# Allegro board zp-dic_pda_8ch_board_v001_166_20241018_1809.brd (continued)
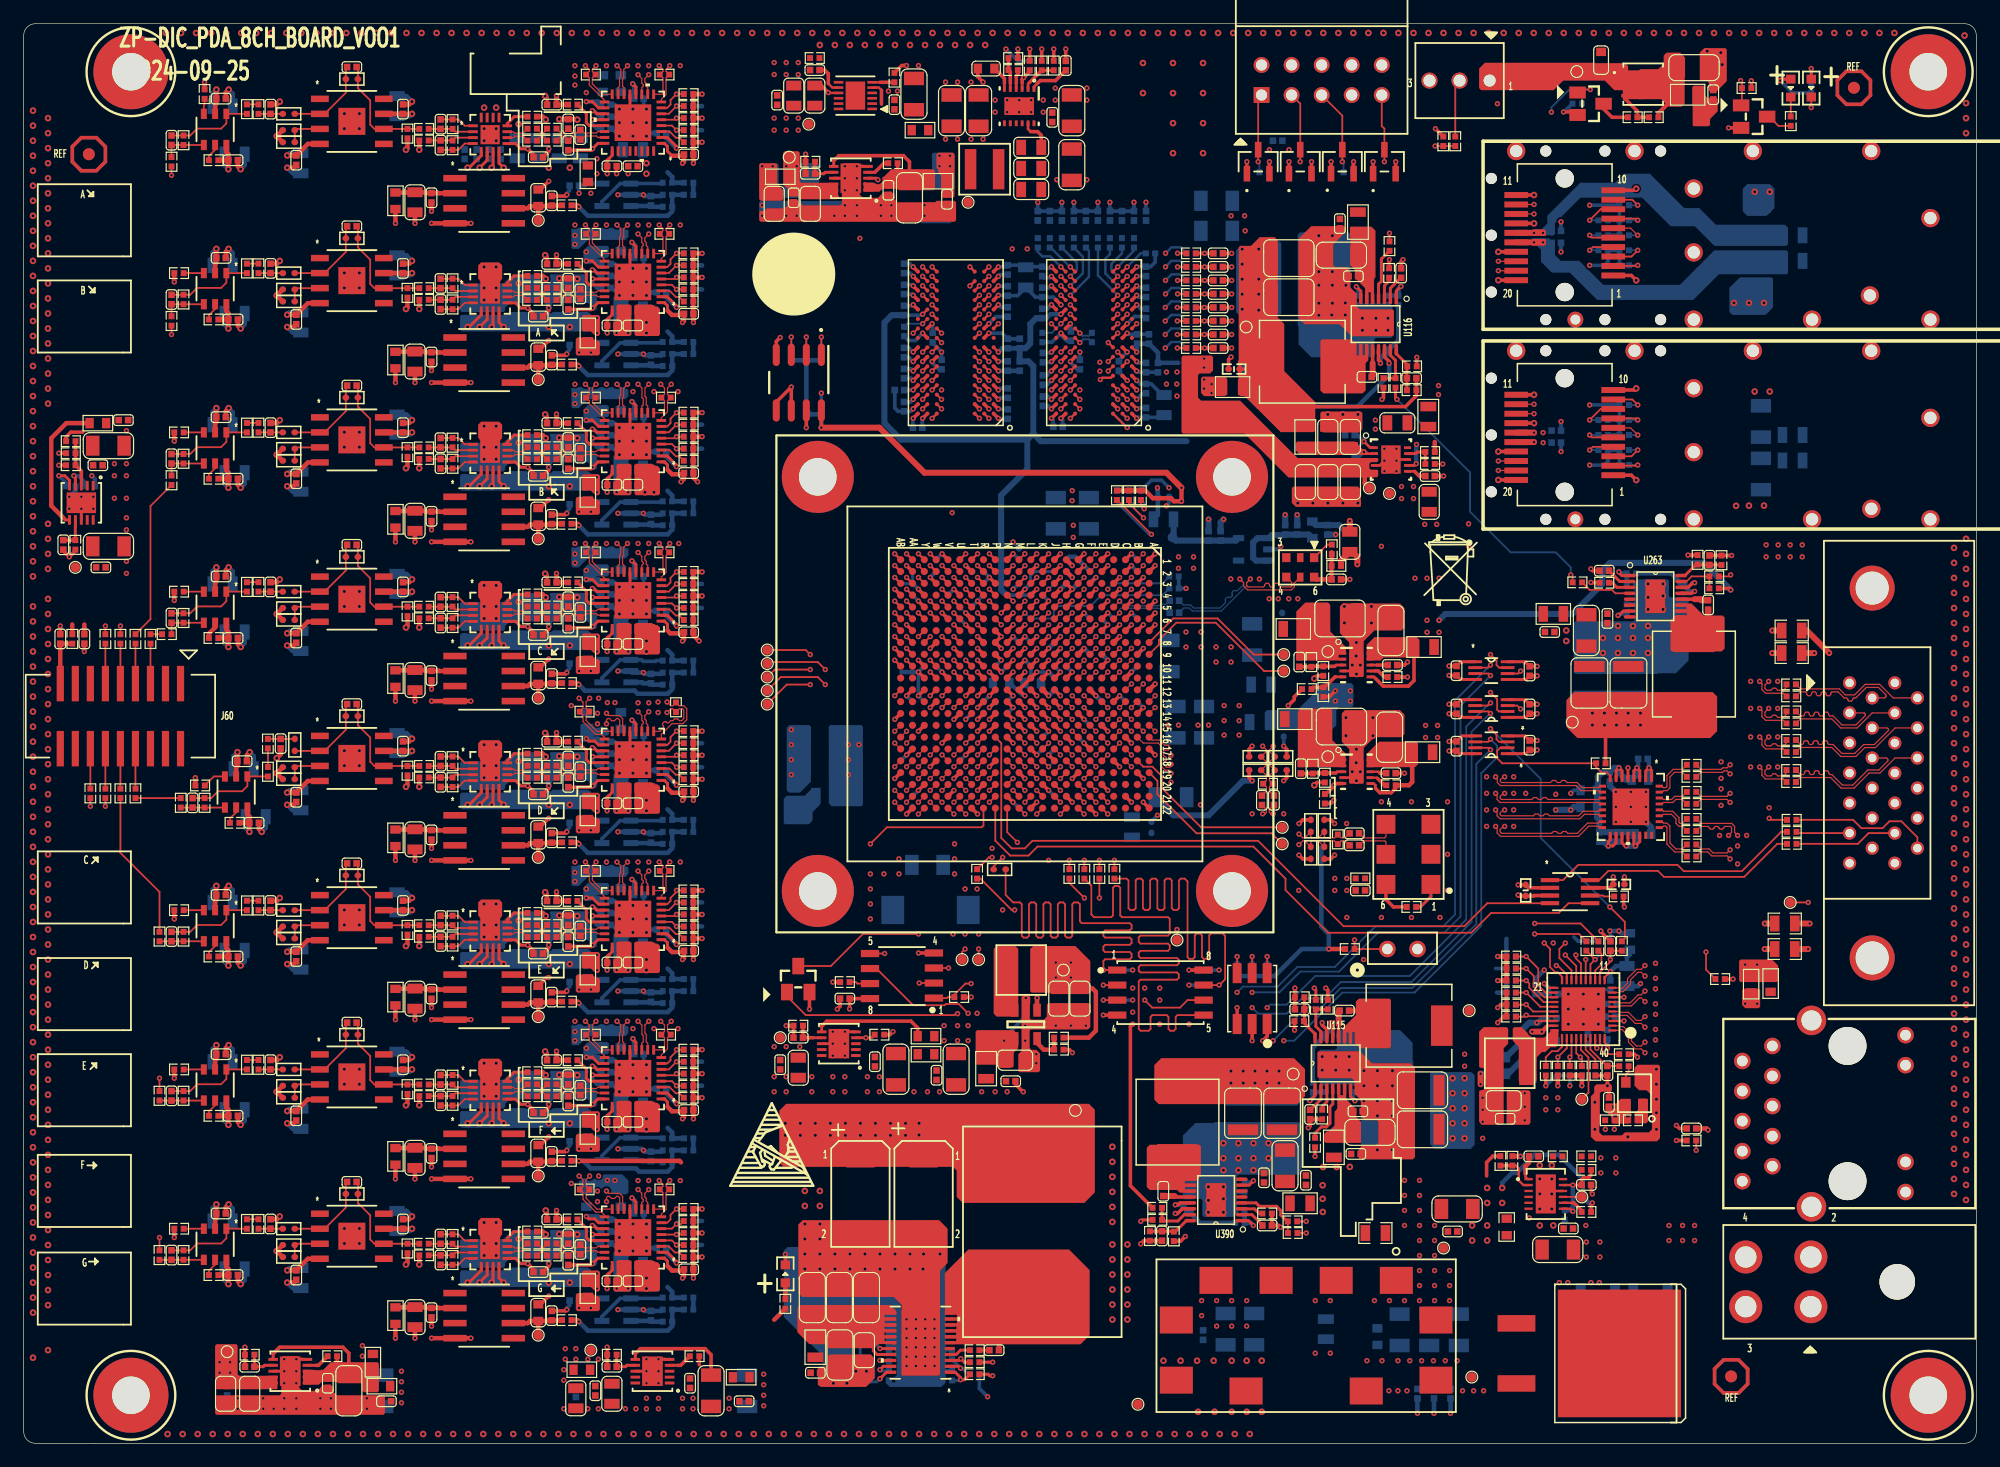
[diagram p0: board, top side]
## Nets (continued)
N23147800: P4.5(SCL) R2144.2
N23169457: C2482.1(CAP2) C2483.1(CAP2) L287.1 U1.J4(MGTVCCAUX)
N23170636: C2450.2(CAP1) L282.1 R2121.2 U270.6(VDD)
N23170831: R2121.1 U270.1(OE)
N23196826: R2153.2 U273.7(H\O\L\D\)
N23467611: R3014.2 U366.3(REFIN)
N23467797: C3279.1(CAP2) C3280.2(CAP1) R3029.1 R3031.2 U366.29(REF) U366.30(REF_2) U366.31(REF_3) U366.32(REF_4)
N23473539: R3026.1 U366.21(VCM)
N23486167: C2971.2(CAP1) C2974.1(CAP2) L299.2 U275.2(VIN)
N23486224: C2972.1(CAP2) C2973.2(CAP1) R2184.1 TP147.1 U275.6(VOUT)
N23486553: C2975.1(CAP2) C2976.2(CAP1) L300.2 U276.2(VIN)
N23486610: C2977.1(CAP2) C2978.2(CAP1) R2185.1 TP148.1 U276.6(VOUT)
N23486896: C2979.1(CAP2) C2980.2(CAP1) L301.2 U277.2(VIN)
N23486953: C2981.1(CAP2) C2982.2(CAP1) R2186.1 TP149.1 U277.6(VOUT)
N23487251: C2983.1(CAP2) C2984.2(CAP1) L302.2 U278.2(VIN)
N23487308: C2985.1(CAP2) C2986.2(CAP1) R2187.1 TP150.1 U278.6(VOUT)
N23492813: C2989.1(CAP2) C2990.2(CAP1) L303.2 U280.2(VIN)
N23492870: C2991.1(CAP2) C2992.2(CAP1) R2196.1 TP151.1 U280.6(VOUT)
N23492969: C2993.1(CAP2) C2994.2(CAP1) L304.2 U281.2(VIN)
N23493026: C2995.1(CAP2) C2996.2(CAP1) R2197.1 TP152.1 U281.6(VOUT)
N23493125: C2997.1(CAP2) C2998.2(CAP1) L305.2 U282.2(VIN)
N23493182: C2999.1(CAP2) C3000.2(CAP1) R2198.1 TP153.1 U282.6(VOUT)
N23493281: C3001.1(CAP2) C3002.2(CAP1) L306.2 U283.2(VIN)
N23493338: C3003.1(CAP2) C3004.2(CAP1) R2199.1 TP154.1 U283.6(VOUT)
N23494365: C3285.2(CAP1) R3028.1 U368.3(+IN)
N23494373: R3029.2 U368.1(VOUT) U368.4(-IN)
N23499075: R3031.1 R3032.2
N23503581: C3286.2(CAP1) C3287.2(CAP1) C3288.2(CAP1) L368.2 U369.1(VDD1) U369.19(VDD1_2) U369.20(VDD1_3)
N23503589: C3289.2(CAP1) C3290.2(CAP1) C3291.2(CAP1) L369.2 U369.2(VDD2) U369.18(VDD2_2) U369.25(VDD2_3)
N23503625: R3035.2 U369.3(REFIN)
N23503626: C3293.1(CAP2) C3294.2(CAP1) R3050.1 R3052.2 U369.29(REF) U369.30(REF_2) U369.31(REF_3) U369.32(REF_4)
N23503698: R3047.1 U369.21(VCM)
N23503724: C3299.2(CAP1) R3049.1 U371.3(+IN)
N23503727: R3050.2 U371.1(VOUT) U371.4(-IN)
N23503746: R3052.1 R3053.2
N23504848: C3300.2(CAP1) C3301.2(CAP1) C3302.2(CAP1) L371.2 U372.1(VDD1) U372.19(VDD1_2) U372.20(VDD1_3)
N23504856: C3303.2(CAP1) C3304.2(CAP1) C3305.2(CAP1) L372.2 U372.2(VDD2) U372.18(VDD2_2) U372.25(VDD2_3)
N23504892: R3056.2 U372.3(REFIN)
N23504893: C3307.1(CAP2) C3308.2(CAP1) R3071.1 R3073.2 U372.29(REF) U372.30(REF_2) U372.31(REF_3) U372.32(REF_4)
N23504965: R3068.1 U372.21(VCM)
N23504991: C3313.2(CAP1) R3070.1 U374.3(+IN)
N23504994: R3071.2 U374.1(VOUT) U374.4(-IN)
N23505013: R3073.1 R3074.2
N23506117: C3356.2(CAP1) C3357.2(CAP1) C3358.2(CAP1) L383.2 U384.1(VDD1) U384.19(VDD1_2) U384.20(VDD1_3)
N23506125: C3359.2(CAP1) C3360.2(CAP1) C3361.2(CAP1) L384.2 U384.2(VDD2) U384.18(VDD2_2) U384.25(VDD2_3)
N23506161: R3140.2 U384.3(REFIN)
N23506162: C3363.1(CAP2) C3364.2(CAP1) R3155.1 R3157.2 U384.29(REF) U384.30(REF_2) U384.31(REF_3) U384.32(REF_4)
N23506234: R3152.1 U384.21(VCM)
N23506260: C3369.2(CAP1) R3154.1 U386.3(+IN)
N23506263: R3155.2 U386.1(VOUT) U386.4(-IN)
N23506282: R3157.1 R3158.2
N23507395: C3314.2(CAP1) C3315.2(CAP1) C3316.2(CAP1) L374.2 U375.1(VDD1) U375.19(VDD1_2) U375.20(VDD1_3)
N23507403: C3317.2(CAP1) C3318.2(CAP1) C3319.2(CAP1) L375.2 U375.2(VDD2) U375.18(VDD2_2) U375.25(VDD2_3)
N23507439: R3077.2 U375.3(REFIN)
N23507440: C3321.1(CAP2) C3322.2(CAP1) R3092.1 R3094.2 U375.29(REF) U375.30(REF_2) U375.31(REF_3) U375.32(REF_4)
N23507512: R3089.1 U375.21(VCM)
N23507538: C3327.2(CAP1) R3091.1 U377.3(+IN)
N23507541: R3092.2 U377.1(VOUT) U377.4(-IN)
N23507560: R3094.1 R3095.2
N23508661: C3328.2(CAP1) C3329.2(CAP1) C3330.2(CAP1) L377.2 U378.1(VDD1) U378.19(VDD1_2) U378.20(VDD1_3)
N23508669: C3331.2(CAP1) C3332.2(CAP1) C3333.2(CAP1) L378.2 U378.2(VDD2) U378.18(VDD2_2) U378.25(VDD2_3)
N23508705: R3098.2 U378.3(REFIN)
N23508706: C3335.1(CAP2) C3336.2(CAP1) R3113.1 R3115.2 U378.29(REF) U378.30(REF_2) U378.31(REF_3) U378.32(REF_4)
N23508778: R3110.1 U378.21(VCM)
N23508804: C3341.2(CAP1) R3112.1 U380.3(+IN)
N23508807: R3113.2 U380.1(VOUT) U380.4(-IN)
N23508826: R3115.1 R3116.2
N23509928: C3342.2(CAP1) C3343.2(CAP1) C3344.2(CAP1) L380.2 U381.1(VDD1) U381.19(VDD1_2) U381.20(VDD1_3)
N23509936: C3345.2(CAP1) C3346.2(CAP1) C3347.2(CAP1) L381.2 U381.2(VDD2) U381.18(VDD2_2) U381.25(VDD2_3)
N23509972: R3119.2 U381.3(REFIN)
N23509973: C3349.1(CAP2) C3350.2(CAP1) R3134.1 R3136.2 U381.29(REF) U381.30(REF_2) U381.31(REF_3) U381.32(REF_4)
N23510045: R3131.1 U381.21(VCM)
N23510071: C3355.2(CAP1) R3133.1 U383.3(+IN)
N23510074: R3134.2 U383.1(VOUT) U383.4(-IN)
N23510093: R3136.1 R3137.2
N23511196: C3370.2(CAP1) C3371.2(CAP1) C3372.2(CAP1) L386.2 U387.1(VDD1) U387.19(VDD1_2) U387.20(VDD1_3)
N23511204: C3373.2(CAP1) C3374.2(CAP1) C3375.2(CAP1) L387.2 U387.2(VDD2) U387.18(VDD2_2) U387.25(VDD2_3)
N23511240: R3161.2 U387.3(REFIN)
N23511241: C3377.1(CAP2) C3378.2(CAP1) R3176.1 R3178.2 U387.29(REF) U387.30(REF_2) U387.31(REF_3) U387.32(REF_4)
N23511313: R3173.1 U387.21(VCM)
N23511339: C3383.2(CAP1) R3175.1 U389.3(+IN)
N23511342: R3176.2 U389.1(VOUT) U389.4(-IN)
N23511361: R3178.1 R3179.2
N23531871: R2214.1 U271.31(OUT0-)
N23531940: R2215.1 U271.30(OUT1+)
N23531952: R2216.1 U271.29(OUT1-)
N23531995: R2217.1 U271.28(OUT2+)
N23532007: R2218.1 U271.27(OUT2-)
N23532050: R2219.1 U271.26(OUT3+)
N23532062: R2220.1 U271.25(OUT3-)
N23538900: TP102.1 U1.B18(IO_L20P_T3_A20_15)
N23538909: TP103.1 U1.A19(IO_L20N_T3_A19_15)
N23539881: J6.11 R834.2
N23546000: R2253.2 U263.7(NC)
N23547065: C2486.1(CAP2) C2487.2(CAP1) L288.2 U272.1(VDD) U272.3(CE)
N23561603: C1339.1(CAP2) C2480.2(CAP1) L131.2 R2083.2 U133.1(IN) U133.2(IN_2) U133.3(EN/UV) U133.6(PGFB)
N23561705: R2083.1 U133.4(PG)
N23561717: C1340.1(CAP2) R2139.1 U133.7(SET)
N23565715: C1257.1(CAP2) L111.2 R1138.1 U124.4(VIN)
N23565735: L112.1 U124.3(SW)
N23565751: R1138.2 U124.1(EN)
N23565779: R1129.2 R1130.1 U124.5(FB)
N23580868: TP104.1 U1.R16(IO_L20P_T3_13)
N23580877: TP105.1 U1.T16(IO_L20N_T3_13)
N23582125: R2598.1 U154.6(OE)
N23591059: R1884.2 R3200.2 U236.2(EN)
N23610435: R2674.2 U342.5(S\H\D\N\)
N23610458: R2676.2 U342.3(IN+)
N23610499: C3093.1(CAP2) R2692.1 R3207.2 U342.4(IN-)
N23610531: C3093.2(CAP1) L357.1 R2692.2 U342.1(OUT)
N23610539: C3090.1(CAP2) R2679.2 R3218.1
N23613049: C3088.2(CAP1) R2688.2 R3216.2 R3256.1 U343.6(OUT)
N23614353: C3088.1(CAP2) R3216.1 R3218.2 U343.2(-IN)
N23616207: R3215.1 R3217.2 U343.3(+IN)
N23618683: R2677.2 U344.12(D\I\S\A\B\L\E\)
N23618728: C3515.1(CAP2) R3256.2 R3258.1 U344.2(IN+)
N23618730: C3515.2(CAP1) R3258.2 U344.1(FB-)
N23618750: R2681.1 U344.11(OUT-)
N23618767: C3514.1(CAP2) R3257.2 R3259.1 U344.3(IN-)
N23618773: R2690.1 U344.10(OUT+)
N23618807: C3514.2(CAP1) R3259.2 U344.4(FB+)
N23624222: R2681.2 R2684.1
N23624272: R2690.2 R2691.1
N23628828: L357.2 R2679.1
N23641427: R2696.2 U346.5(S\H\D\N\)
N23641429: R2697.2 U346.3(IN+)
N23641433: C3116.1(CAP2) R2713.1 R3208.2 U346.4(IN-)
N23641439: C3116.2(CAP1) L358.1 R2713.2 U346.1(OUT)
N23641442: C3516.1(CAP2) R2700.2 R3220.1
N23641477: C3111.2(CAP1) R2709.2 R3219.2 R3261.1 U347.6(OUT)
N23641479: C3111.1(CAP2) R3219.1 R3220.2 U347.2(-IN)
N23641492: R3221.1 R3222.2 U347.3(+IN)
N23641506: R2698.2 U345.12(D\I\S\A\B\L\E\)
N23641518: R2704.1 U345.11(OUT-)
N23641522: R2711.1 U345.10(OUT+)
N23641559: R2704.2 R2705.1
N23641562: R2711.2 R2712.1
N23641588: L358.2 R2700.1
N23642763: R2716.2 U350.5(S\H\D\N\)
N23642765: R2718.2 U350.3(IN+)
N23642769: C3139.1(CAP2) R2734.1 R3209.2 U350.4(IN-)
N23642775: C3139.2(CAP1) L359.1 R2734.2 U350.1(OUT)
N23642778: C3517.1(CAP2) R2721.2 R3224.1
N23642813: C3134.2(CAP1) R2730.2 R3223.2 R3265.1 U348.6(OUT)
N23642815: C3134.1(CAP2) R3223.1 R3224.2 U348.2(-IN)
N23642828: R3225.1 R3226.2 U348.3(+IN)
N23642842: R2719.2 U349.12(D\I\S\A\B\L\E\)
N23642854: R2725.1 U349.11(OUT-)
N23642858: R2732.1 U349.10(OUT+)
N23642895: R2725.2 R2726.1
N23642898: R2732.2 R2733.1
N23642924: L359.2 R2721.1
N23644099: R2737.2 U353.5(S\H\D\N\)
N23644101: R2739.2 U353.3(IN+)
N23644105: C3162.1(CAP2) R2755.1 R3210.2 U353.4(IN-)
N23644111: C3162.2(CAP1) L360.1 R2755.2 U353.1(OUT)
N23644149: C3157.2(CAP1) R2751.2 R3227.2 R3269.1 U351.6(OUT)
N23644151: C3157.1(CAP2) R3227.1 R3228.2 U351.2(-IN)
N23644157: C3518.1(CAP2) R2741.2 R3228.1
N23644164: R3229.1 R3230.2 U351.3(+IN)
N23644178: R2740.2 U352.12(D\I\S\A\B\L\E\)
N23644190: R2746.1 U352.11(OUT-)
N23644194: R2753.1 U352.10(OUT+)
N23644231: R2746.2 R2747.1
N23644234: R2753.2 R2754.1
N23644260: L360.2 R2741.1
N23646771: R2758.2 U354.5(S\H\D\N\)
N23646773: R2760.2 U354.3(IN+)
N23646777: C3185.1(CAP2) R2776.1 R3211.2 U354.4(IN-)
N23646783: C3185.2(CAP1) L361.1 R2776.2 U354.1(OUT)
N23646786: C3519.1(CAP2) R2764.2 R3232.1
N23646821: C3180.2(CAP1) R2772.2 R3231.2 R3273.1 U356.6(OUT)
N23646823: C3180.1(CAP2) R3231.1 R3232.2 U356.2(-IN)
N23646836: R3233.1 R3234.2 U356.3(+IN)
N23646850: R2761.2 U355.12(D\I\S\A\B\L\E\)
N23646862: R2766.1 U355.11(OUT-)
N23646866: R2774.1 U355.10(OUT+)
N23646903: R2766.2 R2768.1
N23646906: R2774.2 R2775.1
N23646932: L361.2 R2764.1
N23648108: R2779.2 U357.5(S\H\D\N\)
N23648110: R2781.2 U357.3(IN+)
N23648114: C3208.1(CAP2) R2797.1 R3212.2 U357.4(IN-)
N23648120: C3208.2(CAP1) L362.1 R2797.2 U357.1(OUT)
N23648123: C3520.1(CAP2) R2783.2 R3236.1
N23648158: C3203.2(CAP1) R2793.2 R3235.2 R3277.1 U358.6(OUT)
N23648160: C3203.1(CAP2) R3235.1 R3236.2 U358.2(-IN)
N23648173: R3237.1 R3238.2 U358.3(+IN)
N23648187: R2782.2 U359.12(D\I\S\A\B\L\E\)
N23648199: R2788.1 U359.11(OUT-)
N23648203: R2795.1 U359.10(OUT+)
N23648240: R2788.2 R2789.1
N23648243: R2795.2 R2796.1
N23648269: L362.2 R2783.1
N23649444: R2800.2 U361.5(S\H\D\N\)
N23649446: R2802.2 U361.3(IN+)
N23649450: C3231.1(CAP2) R2818.1 R3213.2 U361.4(IN-)
N23649456: C3231.2(CAP1) L363.1 R2818.2 U361.1(OUT)
N23649459: C3521.1(CAP2) R2805.2 R3240.1
N23649494: C3226.2(CAP1) R2814.2 R3239.2 R3281.1 U362.6(OUT)
N23649496: C3226.1(CAP2) R3239.1 R3240.2 U362.2(-IN)
N23649509: R3241.1 R3242.2 U362.3(+IN)
N23649523: R2803.2 U360.12(D\I\S\A\B\L\E\)
N23649535: R2808.1 U360.11(OUT-)
N23649539: R2816.1 U360.10(OUT+)
N23649576: R2808.2 R2810.1
N23649579: R2816.2 R2817.1
N23649605: L363.2 R2805.1
N23650781: R2821.2 U363.5(S\H\D\N\)
N23650783: R2823.2 U363.3(IN+)
N23650787: C3254.1(CAP2) R2839.1 R3214.2 U363.4(IN-)
N23650793: C3254.2(CAP1) L364.1 R2839.2 U363.1(OUT)
N23650796: C3522.1(CAP2) R2827.2 R3244.1
N23650831: C3249.2(CAP1) R2835.2 R3243.2 R3285.1 U365.6(OUT)
N23650833: C3249.1(CAP2) R3243.1 R3244.2 U365.2(-IN)
N23650846: R3245.1 R3246.2 U365.3(+IN)
N23650860: R2824.2 U364.12(D\I\S\A\B\L\E\)
N23650872: R2830.1 U364.11(OUT-)
N23650876: R2837.1 U364.10(OUT+)
N23650913: R2830.2 R2831.1
N23650916: R2837.2 R2838.1
N23650942: L364.2 R2827.1
N23654061: C3068.1(CAP2) J60.9(KC) R2659.2
N23657743: R2666.2 R2670.2 R2671.1 U341.3(EN/UV)
N23657801: C3080.1(CAP2) C3081.2(CAP1) L356.2 R2668.1 R2670.1 U341.1(IN) U341.2(IN_2) U341.6(PGFB)
N23657901: R2668.2 U341.4(PG)
N23657909: R3180.2 U341.5(ILIM)
N23657913: C3087.2(CAP1) R2672.1 U341.7(SET)
N23664417: Q10.1(GATE) R3011.2
N23714295: C3385.1(CAP2) C3386.2(CAP1) L389.2 U390.5(VIN1) U390.6(VIN2)
N23714361: C3387.2(CAP1) U390.12(BST)
N23714381: R3188.2 R3201.2 U390.15(PG)
N23714428: C3387.1(CAP2) L390.1 U390.9(SW1) U390.10(SW2) U390.11(SW3)
N23714562: R3192.1 R3193.2 U390.1(SYNC)
N23714578: C3393.1(CAP2) U390.2(TR/SS)
N23714614: C3392.1(CAP2) R3191.1 R3197.1 U390.16(FB)
N23714631: C3394.1(CAP2) R3192.2 U390.13(INTVCC)
N23714691: R3195.1 U390.3(RT)
N23714693: R3196.2 U390.7(NC)
N23716769: R3189.2 R3198.2 U390.4(EN/UV)
N23718317: C1349.1(CAP2) L134.2 Q20.5(S1) R1198.1
N23718389: Q20.4(G) R1198.2 R2129.1
N23718426: Q21.3(DRAIN) R2129.2
N23718455: Q21.1(GATE) R1196.1 R1197.1
N23721389: TP158.1 U1.A9(IO_L21P_T3_DQS_16)
N23721398: TP159.1 U1.A8(IO_L21N_T3_DQS_16)
N23755096: C3413.1(CAP2) C3414.2(CAP1) L391.2 L395.2 R3204.2 U391.1(IN) U391.2(IN_2) U391.3(EN/UV) U391.6(PGFB)
N23755194: R3204.1 U391.4(PG)
N23755206: C3418.1(CAP2) R3203.1 U391.7(SET)
N23756584: C3419.1(CAP2) C3420.2(CAP1) L392.2 U392.1(IN) U392.2(IN_1) U392.3(EN/UV) U392.5(PGFB) U392.13(IN_2)
N23756696: R3205.2 U392.6(ILIM)
N23756700: C3424.1(CAP2) R3206.1 U392.8(SET)
N23798265: C2089.1(CAP2) C2090.1(CAP2) C2091.1(CAP2) U236.11(CP)
N23798356: C2089.2(CAP1) C2090.2(CAP1) C2091.2(CAP1) L228.1 U236.8(SW)
N23798472: C2087.1(CAP2) U236.6(CAP)
N23798476: R1882.1 U236.4(VREF)
N23798530: R1882.2 R1883.1 U236.5(FB)
N23798539: C2088.2(CAP1) U236.1(VAUX)
N23798561: R1885.2 R1886.2 U236.3(PG)
N23813860: J60.3(CH5) R2651.2
N23814056: J60.15(CH6) R3254.2
N23814140: J60.4(CH7) R2652.2
N23814224: J60.14(CH8) R3253.2
N23814369: J60.5(CH9) R2653.2
N23814372: J60.6(CH11) R2654.2
N23814379: J60.12(CH12) R3251.2
N23814382: J60.13(CH10) R3252.2
N23828553: C2474.2(CAP1) C3051.1(CAP2) L122.2 R3255.1 U127.1(IN) U127.2(IN_2) U127.6(PGFB)
N23828667: R3255.2 U127.4(PG)
N23828679: C3015.1(CAP2) R2254.1 U127.7(SET)
N23834386: C3523.1(CAP2) R3260.1 R3261.2 U345.2(IN+)
N23834390: C3523.2(CAP1) R3260.2 U345.1(FB-)
N23834446: C3524.1(CAP2) R3262.2 R3263.1 U345.3(IN-)
N23834468: C3524.2(CAP1) R3263.2 U345.4(FB+)
N23835709: C3525.1(CAP2) R3264.1 R3265.2 U349.2(IN+)
N23835713: C3525.2(CAP1) R3264.2 U349.1(FB-)
N23835769: C3526.1(CAP2) R3266.2 R3267.1 U349.3(IN-)
N23835791: C3526.2(CAP1) R3267.2 U349.4(FB+)
N23836504: C3527.1(CAP2) R3268.1 R3269.2 U352.2(IN+)
N23836508: C3527.2(CAP1) R3268.2 U352.1(FB-)
N23836564: C3528.1(CAP2) R3270.2 R3271.1 U352.3(IN-)
N23836586: C3528.2(CAP1) R3271.2 U352.4(FB+)
N23837542: C3529.1(CAP2) R3272.1 R3273.2 U355.2(IN+)
N23837546: C3529.2(CAP1) R3272.2 U355.1(FB-)
N23837602: C3530.1(CAP2) R3274.2 R3275.1 U355.3(IN-)
N23837624: C3530.2(CAP1) R3275.2 U355.4(FB+)
N23838396: C3531.1(CAP2) R3276.1 R3277.2 U359.2(IN+)
N23838400: C3531.2(CAP1) R3276.2 U359.1(FB-)
N23838456: C3532.1(CAP2) R3278.2 R3279.1 U359.3(IN-)
N23838478: C3532.2(CAP1) R3279.2 U359.4(FB+)
N23839613: C3533.1(CAP2) R3280.1 R3281.2 U360.2(IN+)
N23839617: C3533.2(CAP1) R3280.2 U360.1(FB-)
N23839673: C3534.1(CAP2) R3282.2 R3283.1 U360.3(IN-)
N23839695: C3534.2(CAP1) R3283.2 U360.4(FB+)
N23840487: C3535.1(CAP2) R3284.1 R3285.2 U364.2(IN+)
N23840491: C3535.2(CAP1) R3284.2 U364.1(FB-)
N23840547: C3536.1(CAP2) R3286.2 R3287.1 U364.3(IN-)
N23840569: C3536.2(CAP1) R3287.2 U364.4(FB+)

Pads without a net: J1 6 7 8; J60 1 2 7 8 10 11 16 17 18; MH2 1; MH3 1; MH4 1; REF 1; REF#2 1; REF#3 1; REF#4 1; REF#5 1; REF#6 1; U1 A3 A4 A10 A11 A18 A20 A21 AA11 AA13 AA14 AA15 AA19 AB11 AB13 AB20 B5 B6 B8 B10 B11 B17 B20 B21 B22 C8 C19 C20 C22 D1 D2 D12 D19 D20 D21 D22 E3 E4 F5 F6 G12 H12 H15 H20 J22 K16 L20 N18 N19 R1 T8 T9 T15 T19 U12 U15 U16 V7 V9 V14 V15 V17 W4 W7 W9 W14 W15 W16 Y9 Y13 Y14 Y16; U75 J1 J9 L1 L9; U76 J1 J9 L1 L9; U103 2; U113 5; U134 1 2 3 4; U270 2; U271 23 24; U272 4; U275 1 3 5 7 8; U276 1 3 5 7 8; U277 1 3 5 7 8; U278 1 3 5 7 8; U280 1 3 5 7 8; U281 1 3 5 7 8; U282 1 3 5 7 8; U283 1 3 5 7 8; U343 1 5 8; U347 1 5 8; U348 1 5 8; U351 1 5 8; U356 1 5 8; U358 1 5 8; U362 1 5 8; U365 1 5 8; U392 4 7

## Via types
v1: diameter 0.457, hole 0.203, TOP to BOTTOM, 1963 vias
v2: diameter 0.559, hole 0.254, TOP to BOTTOM, 1099 vias

## Routing (per net, layer and track width the routed paths; a pad name or vN(x,y) marks a point on that pad's centre or on a via; arc(x,y) is an arc through that point)
GND: length 818.8
  TOP w0.203: v1(67.99,114.17) 68.12,114.17 68.15,114.14 U392.9
  TOP w0.229: v1(116,83.06) 116.1,83.16 U23.8 ; U23.4 114.58,82.66 v1(114.98,83.06) ; v1(69.39,34.8) 69.77,34.8 69.79,34.78 U129.5 ; U119.4 112.12,65.29 ; U118.4 112.12,56.27 ; U129.8 v1(68.37,33.78)
  TOP w0.254: U286.5 121.55,59.8 C3038.2 ; U391.8 v1(22.02,6.1) ; v1(23.03,7.11) 23.54,7.11 23.56,7.1 U391.5 ; U369.13 51.23,59.18 v2(51.48,58.93) ; v1(48.07,15.19) 48.53,15.65 U387.24 ; U271.5 v1(135.56,57.1) ; U381.13 51.23,32.25 v2(51.48,32) ; v1(48.07,109.42) 48.53,109.88 U384.24 ; v2(51.48,18.54) 51.23,18.79 U387.13 ; U378.13 51.23,99.56 v2(51.48,99.31) ; v1(48.07,82.5) 48.53,82.96 U372.24 ; v2(51.48,85.85) 51.23,86.1 U372.13 ; U366.24 48.53,69.5 v1(48.07,69.04) ; U341.8 v1(4.87,78.99) ; U369.24 48.53,56.03 v1(48.07,55.58) ; v2(51.48,112.78) 51.23,113.03 U384.13 ; v1(53.64,7.11) 54.15,7.11 54.17,7.1 U133.5 ; U127.8 v1(69.39,106.93) ; v1(48.07,95.96) 48.53,96.42 U378.24 ; U287.5 126.94,64.57 C3041.2 ; U366.13 51.23,72.64 v2(51.48,72.39) ; C3040.2 121.42,64.57 U287.4 ; v2(51.48,45.47) 51.23,45.72 U375.13 ; v1(48.07,28.65) 48.53,29.11 U381.24 ; C3037.2 121.47,62.86 U49.5 ; U375.24 48.53,42.57 v1(48.07,42.11) ; C3036.2 126.86,62.86 U49.4 ; U286.4 126.86,59.8 C3039.2 ; U127.5 70.93,107.93 70.91,107.95 v1(70.4,107.95) ; U271.17 134.06,51.03 133.9,50.88 v1(133.9,50.5) 134.29,50.5 134.56,50.77 U271.18 ; U271.2 137.06,56.83 v1(137.33,57.1) 137.56,56.87 U271.1 ; U133.8 v1(52.62,6.1)
  TOP w0.305: U75.T1 v1(82.36,99.44) ; C3230.2 47.95,109.31 v1(48.07,109.42) ; R844.1 C865.2 v2(133.82,30.23) 133.95,30.1 C839.2 ; U75.E2 v1(81.56,89.84) ; v1(45.89,38.23) 45.79,38.12 C2986.1 ; U1.R20 v1(80.6,55.19) ; v1(124.55,36.83) 124.81,37.08 R2231.1 ; v1(44.37,106.68) 43.8,106.11 43.61,106.11 C2999.2 ; U1.J3 v1(87.6,73.19) ; U1.U14 v1(78.6,61.19) ; v1(84.01,117.86) R1883.2 ; v1(48.07,42.11) 47.95,42 C3161.2 ; D4.1 v1(110.47,108.33) ; U1.P3 v1(81.6,73.19) ; U1.F4 v1(90.6,72.19) ; U76.M9 v1(86.85,96.24) ; U1.D7 v1(92.6,69.19) ; C3311.1 44.22,86.81 v2(44.07,86.97) ; U1.R12 v1(80.6,63.19) ; C2978.1 45.79,51.58 v1(45.89,51.69) ; U79.5 63.59,88.01 v1(64.86,89.28) U79.6 ; C1340.2 R2139.2 v1(49.3,8.13) ; C554.2 v1(102.07,94.87) ; U1.C7 v1(93.6,69.19) ; 108.76,52.71 108.08,52.71 v1(107.76,52.39) ; U1.L12 v1(85.6,63.19) ; R2236.1 R2231.1 ; R2231.1 R2229.1 125.06,36.07 v1(124.55,35.56) ; U1.AA12 v1(74.6,63.19) ; U1.L14 v1(85.6,61.19) ; v1(44.37,82.5) 44.37,82.28 C3140.2 ; C2977.2 43.61,52.26 43.8,52.26 v1(44.37,52.83) ; U1.P13 v1(81.6,62.19) ; C3297.1 44.22,59.89 v2(44.07,60.05) ; v1(45.89,24.77) 45.79,24.66 C2996.1 ; C2985.2 44.18,39.37 v1(44.37,39.37) ; v1(44.37,93.22) 43.8,92.65 43.61,92.65 C2991.2 ; C1256.1 83.81,30.35 84.44,29.72 v1(84.47,29.72) ; U1.F7 v1(90.6,69.19) ; v1(63.93,93.47) 63.59,93.14 U79.4 ; U76.B3 v1(92.45,87.44) ; C3069.2 v1(5.13,66.93) ; C2450.1 v1(112.06,73.03) ; U1.AA22 v1(74.6,53.19) ; C2087.2 80.63,115.51 v1(81.07,115.06) ; U75.D8 v1(75.96,89.04) ; U1.L22 v1(85.6,54.19) ; U76.J2 v1(93.25,93.84) ; v2(44.07,113.89) 44.22,113.73 C3367.1 ; U1.F17 v1(89.61,59.19) ; C2494.2 68.99,36.94 v1(68.75,36.7) ; U1.B3 v1(94.6,73.19) ; v1(102.03,91.82) 101.81,91.61 C1186.2 ; U1.K5 v1(86.6,71.19) ; U1.E5 v1(91.6,71.19) ; U1.M11 v1(84.6,65.19) ; U1.A1 v1(95.6,75.19) ; v1(44.37,109.42) 44.37,109.2 C3232.2 ; U76.B1 v1(94.05,87.44) ; U75.B9 v1(75.16,87.44) ; U1.Y15 v1(75.6,60.19) ; v1(48.07,69.04) 47.95,68.92 C3092.2 ; C3036.2 v1(127.88,62.47) ; U154.2 127.17,46.96 C1492.2 v1(126.28,47.21) ; U1.E10 v1(91.6,66.19) ; U75.E8 v1(75.96,89.84) ; C3038.2 v1(120.44,59.33) ; U124.2 v1(84.68,37.65) ; U75.J8 v1(75.96,93.84) ; Q10.2 v1(66.4,36.7) ; U1.H11 v1(88.6,65.19) ; C3253.2 47.95,15.07 v1(48.07,15.19) ; C553.2 v1(102.07,93.73) ; U75.F9 v1(75.16,90.64) ; C3000.1 45.79,105.43 v1(45.89,105.54) ; v1(132.43,72.77) 132.46,72.74 R1083.2 ; C3207.2 47.95,28.54 v1(48.07,28.65) ; U75.G1 v1(82.36,91.44) ; U75.A9 v1(75.16,86.64) ; U76.D8 v1(87.65,89.04) ; U1.N8 v1(83.6,68.19) ; v1(74.6,116.46) 74.2,116.46 R3205.1 ; U1.N11 v1(83.6,65.19) ; C3283.1 44.22,73.35 v2(44.07,73.51) ; U76.P9 v1(86.85,97.84) ; R1130.2 88.36,33.27 v1(88.61,33.02) ; U1.A7 v1(95.6,69.19) ; R2672.2 4.36,75.44 v1(3.86,74.93) 3.35,75.44 C3087.1 ; v2(136.26,81.42) 135.85,81.83 P4.1 ; U1.V21 v1(78.6,55.19) ; U1.N10 v1(83.6,66.19) ; U75.M9 v1(75.16,96.24) ; U1.N16 v1(83.6,59.19) ; U1.J8 v1(87.6,68.19) ; U1.AB9 v1(73.6,67.19) ; v1(117.72,91.8) R1073.2 ; C3277.1 v1(50.1,66.93) ; C555.2 v1(102.07,96.01) ; U1.H4 v1(88.6,72.19) U1.H3 ; U1.P11 v1(81.6,65.19) ; R3197.2 97.77,17.1 v1(98.16,17.49) ; U76.E8 v1(87.65,89.84) ; U76.J8 v1(87.65,93.84) ; U1.F3 v1(90.6,73.19) ; U1.K15 v1(86.6,60.19) ; v2(44.07,33.12) 44.22,32.96 C3353.1 ; C97.2 v1(119.98,81.76) ; U1.D3 v1(92.6,73.19) ; U76.F9 v1(86.85,90.64) ; v1(45.89,11.3) 45.79,11.2 C3004.1 ; U75.B1 v1(82.36,87.44) ; D3.1 v1(106.92,108.33) ; v1(18.7,8.13) R3203.2 C3418.2 ; U1.B4 v1(94.6,72.19) ; U1.C16 v1(93.6,59.19) ; v1(44.37,79.76) 43.8,79.19 43.61,79.19 C2981.2 ; U76.T9 v1(86.85,99.44) ; U1.M13 v1(84.6,62.19) ; U1.AB19 v1(73.6,56.19) ; v1(107.76,49.72) 108.08,49.4 R2211.2 ; C3209.2 44.37,28.43 v1(44.37,28.65) ; C2972.2 43.61,65.72 43.8,65.72 v1(44.37,66.29) ; C3163.2 44.37,41.89 v1(44.37,42.11) ; U75.J2 v1(81.56,93.84) ; U76.G9 v1(86.85,91.44) ; U1.B9 v1(94.6,67.19) ; v1(130.12,112.54) 131.05,112.54 Q21.2 ; U75.D1 v1(82.36,89.04) ; U1.J2 v1(87.6,74.19) ; U1.W18 v1(76.6,57.19) ; P4.14 v2(127.63,86.23) ; U1.M15 v1(84.6,60.19) ; U76.T1 v1(94.05,99.44) ; Q15.2 v1(144.06,111.19) ; C3360.1 v1(50.1,107.32) ; C3039.2 v1(127.88,59.41) ; U76.E2 v1(93.25,89.84) ; P4.17 v2(124.61,83.83) ; v1(67.99,114.17) 67.4,114.77 C3421.2 ; C3325.1 44.22,46.42 v2(44.07,46.58) ; U76.M1 v1(94.05,96.24) ; P3.17 v2(124.61,100.72) ; U1.M19 v1(84.6,56.19) ; v1(44.37,95.96) 44.37,95.74 C3186.2 ; U1.A22 v1(94.61,54.19) ; v1(64.44,35.31) R2137.2 C2477.2 ; U1.R10 v1(80.6,66.19) ; C3347.1 v1(50.1,26.54) ; C2982.1 45.79,78.51 v1(45.89,78.61) ; U1.M9 v1(84.6,67.19) ; C546.2 v1(102.07,99.44) ; C3255.2 44.37,14.97 v1(44.37,15.19) ; U76.G1 v1(94.05,91.44) ; v2(44.07,100.43) 44.22,100.27 C3339.1 ; C3015.2 R2254.2 v1(66.07,108.97) ; U273.4 v1(75.61,41.45) ; U75.G9 v1(75.16,91.44) ; U75.P9 v1(75.16,97.84) ; C3115.2 47.95,55.46 v1(48.07,55.58) ; v1(139.66,26.87) 139.91,26.62 C3011.1 ; v1(104.69,34.04) 105.08,34.42 J78.1 ; v2(109.06,64.64) 109.29,64.88 R1114.2 ; C3094.2 44.37,68.81 v1(44.37,69.04) ; C3068.2 v1(3.09,69.09) ; P4.10 136.13,89.03 v2(136.26,89.17) ; U1.A5 v1(95.6,71.19) ; R1065.2 C1176.2 108.71,26.83 v1(108.55,26.67) ; P4.11 v2(127.63,88.63) ; C1491.2 v1(135.26,47.88) ; U1.J12 v1(87.6,63.19) ; C3381.1 44.22,19.58 v2(44.12,19.69) ; v1(45.89,65.15) 45.79,65.04 C2973.1 ; U76.E1 v1(94.05,89.84) ; U1.L2 v1(85.6,74.19) ; v1(132.43,73.92) 132.59,73.76 C1203.2 ; R1091.2 109.29,55.86 v2(109.06,55.63) ; v1(48.07,82.5) 47.95,82.38 C3138.2 ; C3305.1 v1(50.1,80.39) ; C3003.2 43.61,11.88 43.8,11.88 v1(44.37,12.45) ; U1.D13 v1(92.6,63.19) ; C3012.2 133.27,43.25 v1(133.27,43.31) ; v2(136.26,98.3) 135.85,98.72 P3.1 ; v1(44.37,25.91) 43.8,25.34 43.61,25.34 C2995.2 ; U1.D4 v1(92.6,72.19) ; P3.11 v2(127.63,105.52) ; U1.K13 v1(86.6,62.19) ; C525.2 v1(102.07,100.58) ; U1.G5 v1(89.6,71.19) ; DS24.2 v1(64.36,15.98) ; U1.U4 v1(78.6,72.19) ; v1(44.37,55.58) 44.37,55.35 C3117.2 ; U1.V1 v1(77.6,75.19) ; v1(48.07,95.96) 47.95,95.85 C3184.2 ; U1.B7 v1(94.6,69.19) ; C522.2 v1(102.07,92.58) ; U75.E1 v1(82.36,89.84) ; U102.4 v1(91.23,36.2) ; U1.T17 v1(79.6,58.19) ; R845.2 136.11,32.89 v1(136.36,32.64) ; U1.B19 v1(94.6,56.19) ; U1.L8 v1(85.6,68.19) ; D5.1 v1(114.03,108.33) ; U79.7 v1(66.13,85.85) ; R2206.2 106.73,58.67 v1(106.47,58.93) ; U1.H5 v1(88.6,71.19) ; P4.20 v2(124.61,81.43) ; P3.10 136.13,105.92 v2(136.26,106.05) ; R1089.2 v1(107.39,34.93) ; U1.P9 v1(82.6,66.19) ; R2207.2 103.55,58.67 v1(103.81,58.93) ; U1.T7 v1(79.6,69.19) ; P3.20 v2(124.61,98.32) ; C1190.2 116.4,99.89 v1(116.55,100.05) ; U1.C5 v1(93.6,71.19) ; U1.AA2 v1(74.6,74.19) ; C3289.1 v1(50.1,53.47) ; C2992.1 45.79,91.97 v1(45.89,92.08) ; U1.G14 v1(89.6,61.19) ; U1.N14 v1(83.6,61.19) ; U1.J14 v1(87.6,61.19) ; U1.W8 v1(76.6,67.19) ; U1.E1 v1(91.6,75.19) ; U1.C1 v1(93.6,75.19) ; C3037.2 v1(120.44,62.47) ; C3040.2 v1(120.44,64.91) ; R2671.2 v1(2.97,82.68) ; J78.2 v1(103.81,34.04) ; U1.K9 v1(86.6,67.19) ; P3.14 v2(127.63,103.12) ; C3373.1 v1(50.1,13.08) ; U76.P1 v1(94.05,97.84) ; U1.J10 v1(87.6,66.19) ; J78.3 v1(102.54,36.83) ; C2088.1 v1(88.06,117.86) ; U1.P15 v1(81.6,60.19) ; v1(116.93,66.04) 116.68,65.79 C1231.1 ; U75.P1 v1(82.36,97.84) ; v1(106.2,18.26) 106.05,18.42 C3393.2 R3195.2 ; U1.M7 v1(84.6,69.19) ; U76.B9 v1(86.85,87.44) ; U1.N12 v1(83.6,63.19) ; C3332.1 v1(50.1,93.85) ; U1.J18 v1(86.61,58.19) ; U1.J1 v1(87.6,75.19) ; U1.N6 v1(83.6,70.19) ; U75.B3 v1(80.76,87.44) ; R1086.2 v1(140.64,75.08) ; U75.T9 v1(75.16,99.44) ; R1068.2 115.38,100.02 v1(115.41,100.05) ; C1208.1 v1(116.68,56.64) ; U1.L10 v1(85.6,66.19) ; C550.2 v1(102.07,98.3) ; U1.H21 v1(88.6,54.19) ; U76.D1 v1(94.05,89.04) ; C3317.1 v1(50.1,40.01) ; D2.1 v1(103.36,108.33) ; U1.E7 v1(91.6,69.19) ; U76.G8 v1(87.65,91.44) ; U1.R14 v1(80.6,61.19) ; C3041.2 v1(127.88,64.88) ; U75.M1 v1(82.36,96.24) ; U1.R8 v1(80.6,68.19) ; C551.2 v1(102.07,97.16) ; U75.G8 v1(75.96,91.44) ; U1.G1 v1(89.6,75.19) ; U1.E20 v1(91.6,55.19) ; U1.V11 v1(77.6,65.19) ; U76.A9 v1(86.85,86.64) ; U1.Y5 v1(75.6,71.19)
  TOP w0.381: v2(18.33,26.92) 18.1,27.16 C3216.2 ; R3019.1 R3021.1 R3014.1 56.58,68.57 C3274.1 56.59,68.29 v1(57.07,67.82) ; R3019.1 R3017.1 R3015.1 v1(57.32,73.66) ; R3019.1 v1(57.32,71.63) ; R3221.2 v2(21.38,56.64) R3222.1 ; C3262.2 18.1,13.7 v2(18.33,13.46) ; v2(21.64,99.95) 21.4,99.71 C3519.2 ; C3120.2 32.58,59.33 v2(32.81,59.56) ; R3215.2 v2(21.38,70.1) R3217.1 ; C3517.2 21.4,86.25 v2(21.64,86.49) ; C3257.2 17.08,19.96 v2(17.32,20.19) ; v1(56.59,13.97) C3372.1 56.58,14.72 R3161.1 ; R2697.1 v1(14.51,56.26) ; R3226.1 v2(21.38,83.57) R3225.2 ; R3140.1 R3147.1 R3145.1 ; R3140.1 v1(57.32,109.98) ; R3140.1 56.58,108.95 C3356.1 v1(56.59,108.2) ; C2990.1 v1(34.46,90.68) ; v2(32.3,55.5) 32.43,55.63 R2709.1 ; R3124.1 R3122.1 R3120.1 v1(57.32,33.27) ; R3124.1 v1(57.32,31.24) ; R3124.1 R3126.1 R3119.1 ; v2(32.81,113.41) 32.58,113.18 C3235.2 ; R3166.1 R3164.1 R3162.1 v1(57.32,19.81) ; R3166.1 v1(57.32,17.78) ; R3166.1 R3168.1 R3161.1 ; R3266.1 v2(33.43,82.42) ; v1(37.79,62.74) U275.4 v1(34.46,62.74) ; C3408.2 22.8,107.82 v2(22.27,107.82) ; R3035.1 v1(57.32,56.13) ; R3035.1 56.58,55.11 C3286.1 v1(56.59,54.36) ; R3035.1 R3042.1 R3040.1 ; C2989.2 v1(33.07,89.66) ; C2974.2 v1(33.07,62.74) ; C3402.2 22.8,40.51 v2(22.27,40.51) ; R2244.1 R2245.1 v1(131.67,30.23) ; v2(32.3,42.04) 32.43,42.16 R2751.1 ; v1(34.46,89.66) U280.4 v1(37.79,89.66) ; v2(22.27,27.05) 22.8,27.05 C3406.2 ; R3245.2 v2(21.38,16.26) R3246.1 ; C2976.1 v1(34.46,50.29) ; C3522.2 21.4,18.94 v2(21.64,19.18) ; v2(45.26,111.93) C3227.1 46.74,111.93 v2(46.78,111.89) ; R3061.1 R3059.1 R3057.1 v1(57.32,87.12) ; R3061.1 R3063.1 R3056.1 56.58,82.03 C3302.1 56.59,81.63 v1(56.94,81.28) ; R3061.1 v1(57.32,85.09) ; v2(46.78,44.58) 46.74,44.62 C3158.1 v2(45.26,44.62) ; v2(22.27,13.59) 22.8,13.59 C3410.2 ; v2(17.32,33.66) 17.08,33.42 C3211.2 ; R3161.1 v1(57.32,15.75) ; v2(21.38,57.91) 21.71,58.24 C3516.2 ; R3145.1 v1(57.32,112.01) ; R3145.1 R3143.1 R3141.1 v1(57.32,114.05) ; R3237.2 v2(21.38,29.72) R3238.1 ; v1(129.63,30.23) R2242.1 ; v1(57.32,60.2) R3036.1 R3038.1 R3040.1 ; v2(32.81,99.95) 32.58,99.71 C3189.2 ; v2(46.78,84.96) 46.74,85 C3135.1 v2(45.26,85) ; v2(32.81,32.64) 32.58,32.4 C3212.2 ; v1(34.46,103.12) U282.4 v1(37.79,103.12) ; v1(34.46,8.89) U283.4 v1(37.79,8.89) ; C3101.2 18.1,67.54 v2(18.33,67.31) ; C3090.2 21.4,72.79 v2(21.64,73.03) ; R2802.1 v1(15.29,115.06) ; R3286.1 v2(33.43,15.11) ; R3119.1 v1(57.32,29.21) ; R3119.1 56.58,28.18 C3342.1 v1(56.59,27.43) ; v1(56.59,94.74) C3329.1 56.58,95.49 R3098.1 R3105.1 R3103.1 ; v2(45.26,71.54) C3089.1 46.74,71.54 v2(46.78,71.5) ; v2(18.33,80.77) 18.1,81.01 C3147.2 ; v2(32.81,46.1) 32.58,45.87 C3166.2 ; R3040.1 v1(57.32,58.17) ; v2(45.26,58.08) C3112.1 46.74,58.08 v2(46.78,58.04) ; R3282.1 v2(33.43,109.35) ; R3270.1 v2(33.43,42.04) ; R3234.1 v2(21.38,97.03) R3233.2 ; v2(32.3,109.35) 32.43,109.47 R2814.1 ; R3082.1 v1(57.32,44.7) ; R3082.1 R3084.1 R3077.1 ; R3082.1 R3080.1 R3078.1 v1(57.32,46.74) ; R3274.1 v2(33.43,95.89) ; C3165.2 17.08,46.88 v2(17.32,47.12) ; v2(17.32,114.43) 17.08,114.19 C3234.2 ; R2793.1 32.43,28.7 v2(32.3,28.58) ; v1(34.46,35.81) U278.4 v1(37.79,35.81) ; C2984.1 v1(34.46,36.83) ; v2(46.78,17.65) 46.74,17.69 C3250.1 v2(45.26,17.69) ; R3242.1 v2(21.38,110.49) R3241.2 ; C3001.2 v1(33.07,8.89) ; C3097.2 32.58,72.79 v2(32.81,73.03) ; R3103.1 R3101.1 R3099.1 v1(57.32,100.58) ; R3103.1 v1(57.32,98.55) ; C3193.2 18.1,94.47 v2(18.33,94.23) ; v2(46.78,31.12) 46.74,31.15 C3204.1 v2(45.26,31.15) ; v2(17.32,87.5) 17.08,87.27 C3400.2 ; v2(32.3,82.42) 32.43,82.55 R2730.1 ; R3278.1 v2(33.43,28.58) ; C3398.2 18.86,58.19 v2(19.1,58.42) ; C3518.2 21.4,45.87 v2(21.64,46.1) ; C3143.2 32.58,86.25 v2(32.81,86.49) ; v1(34.46,76.2) U277.4 v1(37.79,76.2) ; v2(17.32,74.04) 17.08,73.81 C3396.2 ; C3239.2 18.1,107.93 v2(18.33,107.7) ; C2979.2 v1(33.07,76.2) ; U1.A12 v1(95.6,64.19) ; C3404.2 22.8,94.36 v2(22.27,94.36) ; R3229.2 v2(21.38,43.18) R3230.1 ; R3077.1 56.58,41.64 C3315.1 v1(56.59,40.89) ; R3077.1 v1(57.32,42.67) ; C2993.2 v1(33.07,22.35) ; v1(34.46,49.28) U276.4 v1(37.79,49.28) ; C3188.2 17.08,100.73 v2(17.32,100.97) ; R2718.1 v1(12.73,84.71) ; v2(22.27,80.9) 22.8,80.9 C3142.2 ; C2983.2 v1(33.07,35.81) ; C2971.1 v1(34.46,63.75) ; C2994.1 v1(34.46,23.37) ; R3262.1 v2(33.43,55.5) ; v2(32.81,19.18) 32.58,18.94 C3258.2 ; C2997.2 v1(33.07,103.12) ; v2(45.26,98.46) C3181.1 46.74,98.46 v2(46.78,98.43) ; C3124.2 19.88,51.92 v2(20.11,51.69) ; v1(124.55,41.15) R2230.1 R2240.1 R2235.1 v1(124.55,39.12) ; C2980.1 v1(34.46,77.22) ; C3520.2 21.4,32.4 v2(21.64,32.64) ; R2688.1 32.43,69.09 v2(32.3,68.96) ; v1(34.46,22.35) U281.4 v1(37.79,22.35) ; C3096.2 22.8,67.44 v2(22.27,67.44) ; R2739.1 v1(12.73,44.32) ; v2(22.27,53.98) 22.8,53.98 C3119.2 ; C2998.1 v1(34.46,104.14) ; R2772.1 32.43,96.01 v2(32.3,95.89) ; v2(32.3,15.11) 32.43,15.24 R2835.1 ; C3521.2 21.4,113.18 v2(21.64,113.41) ; C3170.2 18.1,40.62 v2(18.33,40.39) ; R2760.1 v1(12.73,98.17) ; C2975.2 v1(33.07,49.28) ; R2676.1 v1(12.73,71.25) ; R2781.1 v1(12.73,30.86) ; R3257.1 v2(33.43,68.96) ; R2823.1 v1(12.73,17.4) ; C3002.1 v1(34.46,9.91)